# Altium PCB HIL_RIG_REV_1_2.PcbDoc (part 7 of 14) (continued)
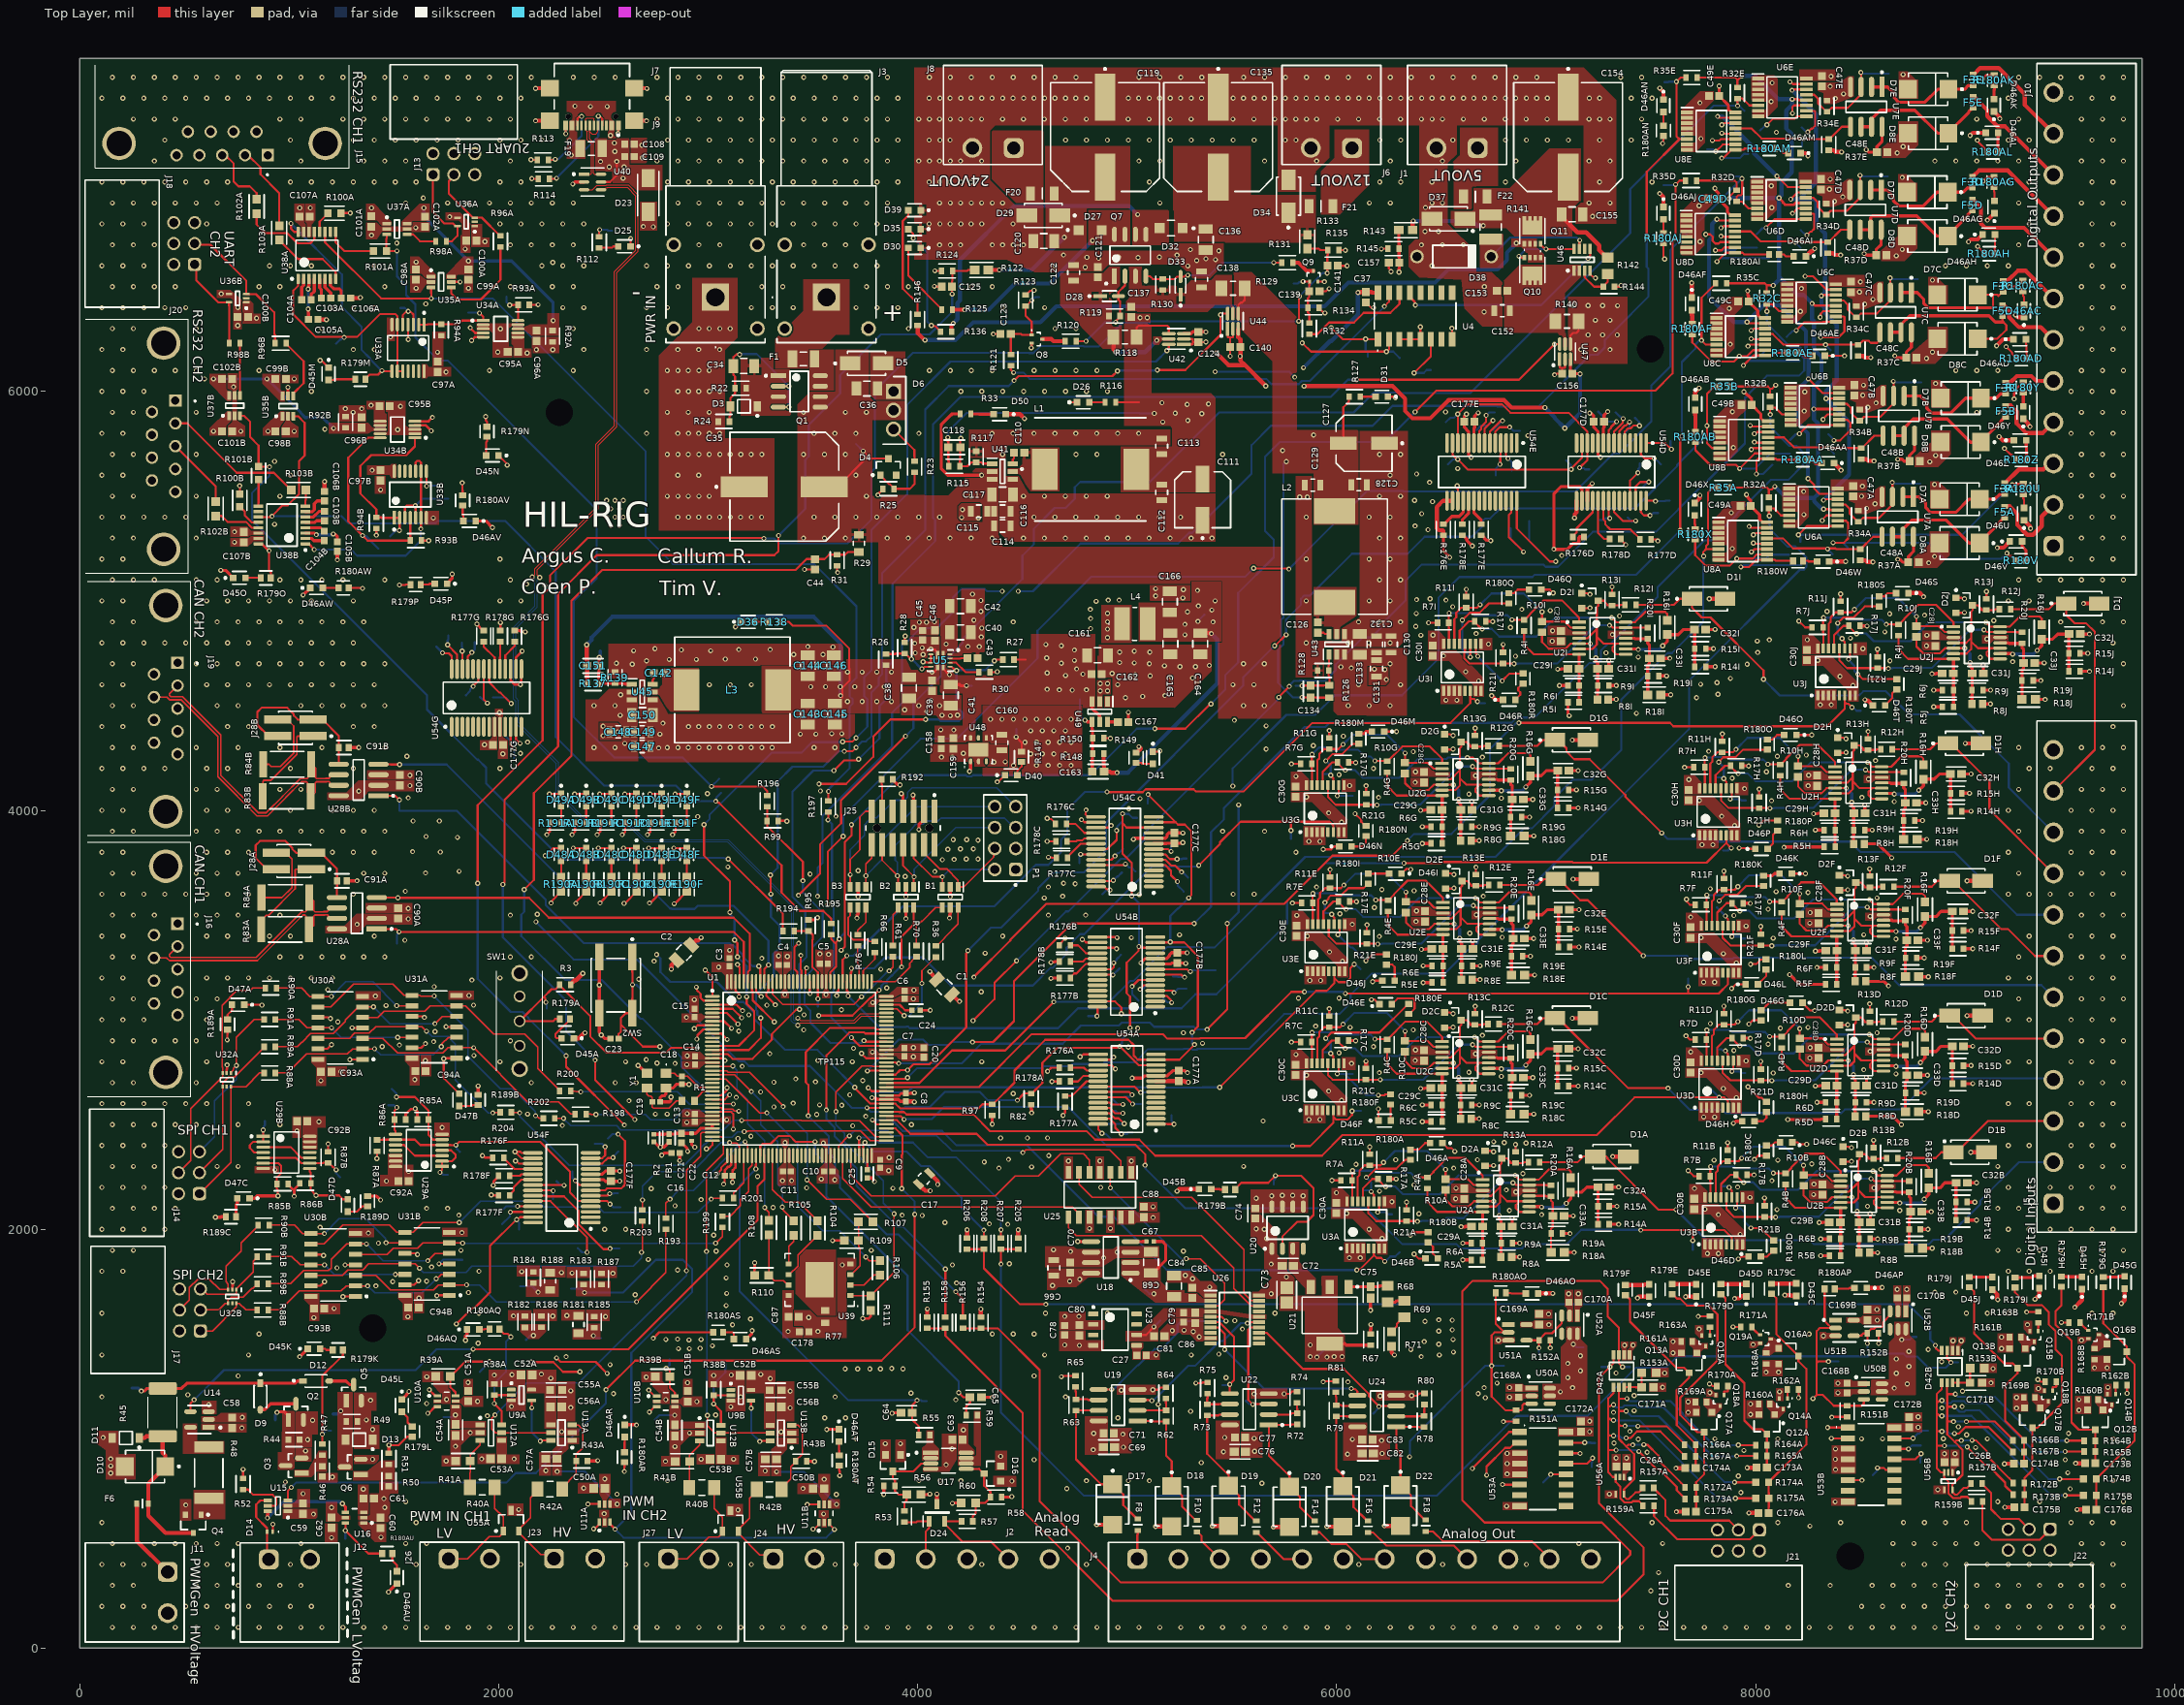
[diagram p0: Top Layer view]
## Nets (pads, with @x,y where several pads share a name; then routed paths per layer and width w, separated by ;. In a path a pad name is that pad's centre, name@x,y a point inside that pad or via, vN(x,y) a via of type N, cw(c..) or ccw(c..) an arc to the next point about the centre after c; other vN are vias at no path point) (continued)
  Bottom Layer w15: v1(7440,4767.82) 7538.92,4767.82 v1(7556.89,4785.79)
DI_12V_vrefJ: C32J.1 R14J.2 R15J.1 R16J.1 U2J.9 | length 566.1
  Top Layer w10: v1@9220.42,4748.61 9223.21,4745.82 v1(9227,4745.82)
  Top Layer w15: U2J.9@9167.13,4748.61 v1@9220.42,4748.61 ; v1(9343.89,4763.79) 9365.89,4785.79 R16J.1@9365.89,4817.28 9418.18,4817.28 9442.7,4841.79 C32J.1@9495.89,4841.79 R15J.1@9495.89,4749.79 R14J.2@9495.89,4663.79
  Bottom Layer w15: v1(9227,4745.82) 9325.92,4745.82 v1(9343.89,4763.79)
DI_24V_vrefA: C33A.1 R18A.2 R19A.1 R20A.1 U2A.11 | length 379.5
  Top Layer w10: U2A.11@6919.13,2159.79 6997.26,2159.79 6999.91,2157.15 R20A.1@7023.89,2157.15 7023.89,2136.19 7031.48,2128.6 C33A.1@7031.48,2064 7031.48,2011.26 7024,2003.78 R19A.1@7024,1979.79 R18A.2@7024,1889.79
DI_24V_vrefB: C33B.1 R18B.2 R19B.1 R20B.1 U2B.11 | length 379.5
  Top Layer w15: U2B.11@8628.13,2179.79 8668.72,2179.79 8671.36,2177.15 R20B.1@8732.89,2177.15 8732.89,2156.19 8740.48,2148.6 C33B.1@8740.48,2084 8740.48,2058.04 8733,2050.57 R19B.1@8733,1999.79 R18B.2@8733,1909.79
DI_24V_vrefC: C33C.1 R18C.2 R19C.1 R20C.1 U2C.11 | length 379.5
  Top Layer w15: U2C.11@6726.13,2819.79 6766.72,2819.79 6769.36,2817.15 R20C.1@6830.89,2817.15 6830.89,2796.19 6838.48,2788.6 C33C.1@6838.48,2724 6838.48,2698.04 6831,2690.57 R19C.1@6831,2639.79 R18C.2@6831,2549.79
DI_24V_vrefD: C33D.1 R18D.2 R19D.1 R20D.1 U2D.11 | length 379.5
  Top Layer w15: U2D.11@8610.13,2831.79 8650.72,2831.79 8653.36,2829.15 R20D.1@8714.89,2829.15 8714.89,2808.19 8722.48,2800.6 C33D.1@8722.48,2736 8722.48,2710.04 8715,2702.57 R19D.1@8715,2651.79 R18D.2@8715,2561.79
DI_24V_vrefE: C33E.1 R18E.2 R19E.1 R20E.1 U2E.11 | length 379.5
  Top Layer w15: U2E.11@6730.13,3483.79 6770.72,3483.79 6773.36,3481.15 R20E.1@6834.89,3481.15 6834.89,3460.19 6842.48,3452.6 C33E.1@6842.48,3388 6842.48,3362.04 6835,3354.57 R19E.1@6835,3303.79 R18E.2@6835,3213.79
DI_24V_vrefF: C33F.1 R18F.2 R19F.1 R20F.1 U2F.11 | length 379.5
  Top Layer w15: U2F.11@8610.13,3475.79 8650.72,3475.79 8653.36,3473.15 R20F.1@8714.89,3473.15 8714.89,3452.19 8722.48,3444.6 C33F.1@8722.48,3380 8722.48,3354.04 8715,3346.57 R19F.1@8715,3295.79 R18F.2@8715,3205.79
DI_24V_vrefG: C33G.1 R18G.2 R19G.1 R20G.1 U2G.11 | length 379.5
  Top Layer w15: U2G.11@6726.13,4147.79 6766.72,4147.79 6769.36,4145.15 R20G.1@6830.89,4145.15 6830.89,4124.19 6838.48,4116.6 C33G.1@6838.48,4052 6838.48,4026.04 6831,4018.57 R19G.1@6831,3967.79 R18G.2@6831,3877.79
DI_24V_vrefH: C33H.1 R18H.2 R19H.1 R20H.1 U2H.11 | length 379.5
  Top Layer w15: U2H.11@8602.13,4131.79 8642.72,4131.79 8645.36,4129.15 R20H.1@8706.89,4129.15 8706.89,4108.19 8714.48,4100.6 C33H.1@8714.48,4036 8714.48,4010.04 8707,4002.57 R19H.1@8707,3951.79 R18H.2@8707,3861.79
DI_24V_vrefI: C33I.1 R18I.2 R19I.1 R20I.1 U2I.11 | length 379.5
  Top Layer w15: U2I.11@7380.13,4821.79 7420.72,4821.79 7423.36,4819.15 R20I.1@7484.89,4819.15 7484.89,4798.19 7492.48,4790.6 C33I.1@7492.48,4726 7492.48,4700.04 7485,4692.57 R19I.1@7485,4641.79 R18I.2@7485,4551.79
DI_24V_vrefJ: C33J.1 R18J.2 R19J.1 R20J.1 U2J.11 | length 379.5
  Top Layer w15: U2J.11@9167.13,4799.79 9207.72,4799.79 9210.36,4797.15 R20J.1@9271.89,4797.15 9271.89,4776.19 9279.48,4768.6 C33J.1@9279.48,4704 9279.48,4678.04 9272,4670.57 R19J.1@9272,4619.79 R18J.2@9272,4529.79
DI_DUT_IN1: D1A.1 J5.2 R12A.1 | length 2812.5
  Top Layer w10: R12A.1@6969,2319.79 7149.94,2319.79 7177.94,2347.79 7287.04,2347.79 7292.89,2341.94 7292.89,2337.44 7536.33,2094 v1(7620,2094)
  Bottom Layer w10: v1(7620,2094) 7766,1948 8260,1948 8279,1929 8826.85,1929 8847.85,1950 8902.45,1950 9071.89,2119.44 9071.89,2135.89 9256.6,2320.6 J5.2@9422,2320.6
DI_DUT_IN2: D1B.1 J5.3 R12B.1 | length 817.6
  Top Layer w10: R12B.1@8678,2339.79 8858.94,2339.79 8886.94,2367.79 D1B.1@8944.15,2367.79 8959.9,2367.79 9109.56,2517.45 J5.3@9422,2517.45
DI_DUT_IN3: D1C.1 J5.4 R12C.1 | length 2917.7
  Top Layer w10: R12C.1@6776,2979.79 6956.94,2979.79 6984.94,3007.79 7057.9,3007.79 7391.7,2674 v1(7582,2674)
  Bottom Layer w10: v1(7582,2674) 7686,2570 7840.87,2570 7855.89,2554.98 8408.98,2554.98 8426,2572 8691.91,2572 8780,2660.09 8780,2662.15 8794.64,2676.79 8796.7,2676.79 8840.7,2720.79 9415.51,2720.79 J5.4@9422,2714.3
DI_DUT_IN4: D1D.1 J5.5 R12D.1 | length 818.6
  Top Layer w10: R12D.1@8660,2991.79 8840.94,2991.79 8868.94,3019.79 D1D.1@8926.15,3019.79 8941.9,3019.79 9050.55,2911.15 J5.5@9422,2911.15
DI_DUT_IN5: D1E.1 J5.6 R12E.1 | length 2892.1
  Top Layer w10: R12E.1@6780,3643.79 6960.94,3643.79 6988.94,3671.79 7061.9,3671.79 7163.02,3570.68 7199.32,3570.68 v1(7464,3306)
  Bottom Layer w10: v1(7464,3306) 7671.22,3306 7686.22,3291 7891.64,3291 7897.64,3297 8553.36,3297 8684.36,3166 9364,3166 J5.6@9422,3108
DI_DUT_IN6: D1F.1 J5.7 R12F.1 | length 922.3
  Top Layer w10: R12F.1@8660,3635.79 8840.94,3635.79 8868.94,3663.79 8941.9,3663.79 9171.7,3434 9204,3434 9333.15,3304.85 J5.7@9422,3304.85
DI_DUT_IN7: D1G.1 J5.8 R12G.1 | length 3017
  Top Layer w10: R12G.1@6776,4307.79 6956.94,4307.79 6984.94,4335.79 D1G.1@7042.15,4335.79 7057.9,4335.79 7097.02,4296.67 7097.02,4280.92 7133.95,4244 7208,4244 7378.66,4073.34 7378.66,4065.34 v1(7552,3892)
  Bottom Layer w10: v1(7552,3892) 7580,3864 7803.36,3864 7816.36,3851 8450.15,3851 8500.15,3801 8949,3801 9248.3,3501.7 J5.8@9422,3501.7
DI_DUT_IN8: D1H.1 J5.9 R12H.1 | length 1116.9
  Top Layer w10: R12H.1@8652,4291.79 8832.94,4291.79 8860.94,4319.79 8933.9,4319.79 9116,4137.7 9116,4004.55 J5.9@9422,3698.55
DI_DUT_IN9: D1I.1 J5.10 R12I.1 | length 2598
  Top Layer w10: R12I.1@7430,4981.79 7610.94,4981.79 7638.94,5009.79 D1I.1@7696.15,5009.79 7696.15,4968.33 7743.24,4921.24 7784.88,4921.24 8038,4668.12 v1(8038,4626)
  Bottom Layer w10: v1(8038,4626) 8115.55,4548.45 8494.45,4548.45 8514.61,4568.61 8622.29,4568.61 8732.9,4458 8974,4458 9208.54,4223.46 9208.54,4108.86 J5.10@9422,3895.4
DI_DUT_IN10: D1J.1 J5.11 R12J.1 | length 1343.4
  Top Layer w10: R12J.1@9217,4959.79 9397.94,4959.79 9425.94,4987.79 D1J.1@9483.15,4987.79 9483.15,4932.85 9522,4894 9577.12,4894 9618.99,4852.13 9618.99,4289.24 J5.11@9422,4092.25
DI_IN_dividedA: D2A.3 R12A.2 R13A.2 U2A.4 U2A.6 U2A.8 U2A.10 | length 810.1
  Top Layer w10: U2A.6@6696.66,2108.61 6737.24,2108.61 6737.38,2108.75 6760.11,2108.75 6780.94,2129.58 6780.94,2166.75 ; U2A.4@6696.66,2159.79 6737.24,2159.79 6780.94,2203.49 ; R12A.2@6915.72,2319.79 6894.75,2319.79 6891.47,2316.51 R13A.2@6854,2316.51 6830.01,2316.51 6830.01,2322.21 6813.46,2338.77 D2A.3@6787.74,2338.77 6787.74,2315.02 6780.94,2308.22 6780.94,2203.49 ; U2A.8@6919.13,2083.02 6873.91,2083.02 6855.98,2100.95 6855.98,2116.27 6869,2129.29 6869,2134.2 ; U2A.10@6919.13,2134.2 6869,2134.2 ; 6780.94,2166.75 6813.48,2134.2 6869,2134.2 ; 6780.94,2166.75 6780.94,2203.49
DI_IN_dividedB: D2B.3 R12B.2 R13B.2 U2B.4 U2B.6 U2B.8 U2B.10 | length 810.1
  Top Layer w10: U2B.6@8405.66,2128.61 8446.24,2128.61 8446.38,2128.75 8469.11,2128.75 8489.94,2149.58 8489.94,2186.75 ; U2B.4@8405.66,2179.79 8446.24,2179.79 8489.94,2223.49 ; R12B.2@8624.72,2339.79 8603.75,2339.79 8600.47,2336.51 R13B.2@8563,2336.51 8539.01,2336.51 8539.01,2342.21 8522.46,2358.77 D2B.3@8496.74,2358.77 8496.74,2335.02 8489.94,2328.22 8489.94,2223.49 ; U2B.8@8628.13,2103.02 8582.91,2103.02 8564.98,2120.95 8564.98,2136.27 8578,2149.29 8578,2154.2 ; U2B.10@8628.13,2154.2 8578,2154.2 ; 8489.94,2186.75 8489.94,2223.49 ; 8489.94,2186.75 8522.48,2154.2 8578,2154.2
DI_IN_dividedC: D2C.3 R12C.2 R13C.2 U2C.4 U2C.6 U2C.8 U2C.10 | length 810.1
  Top Layer w10: U2C.6@6503.66,2768.61 6544.24,2768.61 6544.38,2768.75 6567.11,2768.75 6587.94,2789.58 6587.94,2826.75 ; U2C.4@6503.66,2819.79 6544.24,2819.79 6587.94,2863.49 ; R12C.2@6722.72,2979.79 6701.75,2979.79 6698.47,2976.51 R13C.2@6661,2976.51 6637.01,2976.51 6637.01,2982.21 6620.46,2998.77 D2C.3@6594.74,2998.77 6594.74,2975.02 6587.94,2968.22 6587.94,2863.49 ; U2C.8@6726.13,2743.02 6680.91,2743.02 6662.98,2760.95 6662.98,2776.27 6676,2789.29 6676,2794.2 ; U2C.10@6726.13,2794.2 6676,2794.2 ; 6587.94,2826.75 6587.94,2863.49 ; 6587.94,2826.75 6620.48,2794.2 6676,2794.2
DI_IN_dividedD: D2D.3 R12D.2 R13D.2 U2D.4 U2D.6 U2D.8 U2D.10 | length 810.1
  Top Layer w10: U2D.6@8387.66,2780.61 8428.24,2780.61 8428.38,2780.75 8451.11,2780.75 8471.94,2801.58 8471.94,2838.75 ; U2D.4@8387.66,2831.79 8428.24,2831.79 8471.94,2875.49 ; R12D.2@8606.72,2991.79 8585.75,2991.79 8582.47,2988.51 R13D.2@8545,2988.51 8521.01,2988.51 8521.01,2994.21 8504.46,3010.77 D2D.3@8478.74,3010.77 8478.74,2987.02 8471.94,2980.22 8471.94,2875.49 ; U2D.8@8610.13,2755.02 8564.91,2755.02 8546.98,2772.95 8546.98,2788.27 8560,2801.29 8560,2806.2 ; U2D.10@8610.13,2806.2 8560,2806.2 ; 8471.94,2838.75 8471.94,2875.49 ; 8471.94,2838.75 8504.48,2806.2 8560,2806.2
DI_IN_dividedE: D2E.3 R12E.2 R13E.2 U2E.4 U2E.6 U2E.8 U2E.10 | length 810.1
  Top Layer w10: U2E.6@6507.66,3432.61 6548.24,3432.61 6548.38,3432.75 6571.11,3432.75 6591.94,3453.58 6591.94,3490.75 ; U2E.4@6507.66,3483.79 6548.24,3483.79 6591.94,3527.49 ; R12E.2@6726.72,3643.79 6705.75,3643.79 6702.47,3640.51 R13E.2@6665,3640.51 6641.01,3640.51 6641.01,3646.21 6624.46,3662.77 D2E.3@6598.74,3662.77 6598.74,3639.02 6591.94,3632.22 6591.94,3527.49 ; U2E.8@6730.13,3407.02 6684.91,3407.02 6666.98,3424.95 6666.98,3440.27 6680,3453.29 6680,3458.2 ; U2E.10@6730.13,3458.2 6680,3458.2 ; 6591.94,3490.75 6591.94,3527.49 ; 6591.94,3490.75 6624.48,3458.2 6680,3458.2
DI_IN_dividedF: D2F.3 R12F.2 R13F.2 U2F.4 U2F.6 U2F.8 U2F.10 | length 810.1
  Top Layer w10: U2F.6@8387.66,3424.61 8428.24,3424.61 8428.38,3424.75 8451.11,3424.75 8471.94,3445.58 8471.94,3482.75 ; U2F.4@8387.66,3475.79 8428.24,3475.79 8471.94,3519.49 ; R12F.2@8606.72,3635.79 8585.75,3635.79 8582.47,3632.51 R13F.2@8545,3632.51 8521.01,3632.51 8521.01,3638.21 8504.46,3654.77 D2F.3@8478.74,3654.77 8478.74,3631.02 8471.94,3624.22 8471.94,3519.49 ; U2F.8@8610.13,3399.02 8564.91,3399.02 8546.98,3416.95 8546.98,3432.27 8560,3445.29 8560,3450.2 ; U2F.10@8610.13,3450.2 8560,3450.2 ; 8471.94,3482.75 8471.94,3519.49 ; 8471.94,3482.75 8504.48,3450.2 8560,3450.2
DI_IN_dividedG: D2G.3 R12G.2 R13G.2 U2G.4 U2G.6 U2G.8 U2G.10 | length 810.1
  Top Layer w10: U2G.6@6503.66,4096.61 6544.24,4096.61 6544.38,4096.75 6567.11,4096.75 6587.94,4117.58 6587.94,4154.75 ; U2G.4@6503.66,4147.79 6544.24,4147.79 6587.94,4191.49 ; R12G.2@6722.72,4307.79 6701.75,4307.79 6698.47,4304.51 R13G.2@6661,4304.51 6637.01,4304.51 6637.01,4310.21 6620.46,4326.77 D2G.3@6594.74,4326.77 6594.74,4303.02 6587.94,4296.22 6587.94,4191.49 ; U2G.8@6726.13,4071.02 6680.91,4071.02 6662.98,4088.95 6662.98,4104.27 6676,4117.29 6676,4122.2 ; U2G.10@6726.13,4122.2 6676,4122.2 ; 6587.94,4154.75 6587.94,4191.49 ; 6587.94,4154.75 6620.48,4122.2 6676,4122.2
DI_IN_dividedH: D2H.3 R12H.2 R13H.2 U2H.4 U2H.6 U2H.8 U2H.10 | length 802.9
  Top Layer w10: U2H.6@8379.66,4080.61 8420.24,4080.61 8420.38,4080.75 8443.11,4080.75 8463.94,4101.58 8463.94,4138.75 ; U2H.4@8379.66,4131.79 8399.22,4131.79 8437.79,4131.79 8463.94,4157.94 ; R12H.2@8598.72,4291.79 8577.75,4291.79 8574.47,4288.51 R13H.2@8537,4288.51 8513.01,4288.51 8513.01,4294.21 8496.46,4310.77 D2H.3@8470.74,4310.77 8470.74,4287.02 8463.94,4280.22 8463.94,4157.94 ; U2H.8@8602.13,4055.02 8556.91,4055.02 8538.98,4072.95 8538.98,4088.27 8552,4101.29 8552,4106.2 ; U2H.10@8602.13,4106.2 8552,4106.2 ; 8463.94,4138.75 8463.94,4157.94 ; 8463.94,4138.75 8496.48,4106.2 8552,4106.2
DI_IN_dividedI: D2I.3 R12I.2 R13I.2 U2I.4 U2I.6 U2I.8 U2I.10 | length 810.1
  Top Layer w10: U2I.6@7157.66,4770.61 7198.24,4770.61 7198.38,4770.75 7221.11,4770.75 7241.94,4791.58 7241.94,4828.75 ; U2I.4@7157.66,4821.79 7198.24,4821.79 7241.94,4865.49 ; R12I.2@7376.72,4981.79 7355.75,4981.79 7352.47,4978.51 R13I.2@7315,4978.51 7291.01,4978.51 7291.01,4984.21 7274.46,5000.77 D2I.3@7248.74,5000.77 7248.74,4977.02 7241.94,4970.22 7241.94,4865.49 ; U2I.8@7380.13,4745.02 7334.91,4745.02 7316.98,4762.95 7316.98,4778.27 7330,4791.29 7330,4796.2 ; U2I.10@7380.13,4796.2 7330,4796.2 ; 7241.94,4828.75 7274.48,4796.2 7330,4796.2 ; 7241.94,4828.75 7241.94,4865.49
DI_IN_dividedJ: D2J.3 R12J.2 R13J.2 U2J.4 U2J.6 U2J.8 U2J.10 | length 801.6
  Top Layer w10: U2J.6@8944.66,4748.61 8985.24,4748.61 8985.38,4748.75 9008.11,4748.75 9028.94,4769.58 9028.94,4806.75 ; U2J.4@8944.66,4799.79 8964.22,4799.79 9005.79,4799.79 9028.94,4822.94 ; R12J.2@9163.72,4959.79 9142.75,4959.79 9139.47,4956.51 R13J.2@9102,4956.51 9078.01,4956.51 9078.01,4962.21 9061.46,4978.77 D2J.3@9035.74,4978.77 9035.74,4955.02 9028.94,4948.22 9028.94,4822.94 ; U2J.8@9167.13,4723.02 9121.91,4723.02 9103.98,4740.95 9103.98,4756.27 9117,4769.29 9117,4774.2 ; U2J.10@9167.13,4774.2 9117,4774.2 ; 9028.94,4806.75 9061.48,4774.2 9117,4774.2 ; 9028.94,4806.75 9028.94,4822.94
DI_MCU1: TP26A.1 U1.77 U3A.6 | length 2976.8
  Top Layer w10: v1(3784,2522) 3804.44,2501.56 U1.77@3850.71,2501.56 ; v1(6096,1806) 6098.68,1808.68 6110.68,1808.68 6177.39,1875.39 ; U3A.6@6177.39,1908.61 6177.39,1876.99 6190.95,1863.43 6213,1863.43 v1(6229.83,1846.6)
  Bottom Layer w10: v1(3784,2522) 3876.64,2522 3928.64,2470 4116,2470 4184,2402 4520,2402 4862,2060 4936,2060 5190,1806 v1(6096,1806) ; v1@6232,1846 6256.19,1870.19 6280.19,1870.19 TP26A.1@6300,1890
DI_MCU2: TP26B.1 U1.78 U3B.6 | length 4506.1
  Top Layer w10: U1.78@3850.71,2521.24 3900.77,2521.24 3966.02,2456 4282,2456 4334,2404 5040,2404 5086,2358 v1(5086,2306) ; v1@7452.12,1996.12 7700,1996.12 ; v1(7700,1946) 7700,1996.12 ; U3B.6@7886.39,1928.61 7886.39,1960.24 7850.5,1996.12 7700,1996.12
  Bottom Layer w10: v1(5086,2306) 5088.09,2303.91 5088.09,2289.91 5277,2101 6141.33,2101 6312.33,1930 6570.77,1930 6591.77,1909 6884.36,1909 6905.36,1930 7099.56,1930 7167.56,1998 7450,1998 v1(7452,1996) ; TP26B.1@7700,1902 v1(7700,1946)
DI_MCU3: TP26C.1 U1.79 U3C.6 | length 2513.8
  Top Layer w10: U1.79@3850.71,2540.93 3918.43,2540.93 v1(3934.99,2524.36) ; v1(5790,2398) 5874,2398 5984.39,2508.39 5984.39,2536.99 ; U3C.6@5984.39,2568.61 5984.39,2536.99 ; v1(6073.9,2564.72) 6073.9,2545.9 6052,2524 5997.38,2524 5984.39,2536.99
  Bottom Layer w10: v1(3934.99,2524.36) 3937.67,2527.04 4069.04,2527.04 4126,2584 4717.35,2584 4903.35,2398 v1@5789.14,2398 ; v1@6074,2564 6075.79,2565.79 TP26C.1@6116.89,2565.79
DI_MCU4: TP26D.1 U1.80 U3D.6 | length 4314.8
  Top Layer w10: U1.80@3850.71,2560.61 3910.88,2560.61 3911.5,2560 3934.71,2560 3946.71,2548 4266,2548 4346,2468 4807.38,2468 4847.38,2428 5058,2428 5134,2352 5930,2352 6028,2450 7242,2450 7422,2630 v1(7826,2630) 7850.62,2630 7868.39,2612.24 U3D.6@7868.39,2580.61
  Bottom Layer w10: TP26D.1@7786,2670 v1(7826,2630)
DI_MCU5: TP26E.1 U1.85 U3E.6 | length 2810.8
  Top Layer w10: v1(3764,2676) 3780.96,2659.04 U1.85@3850.71,2659.04 ; v1(5442,2678) 5902.43,3138.43 5952.64,3138.43 5988.39,3174.17 5988.39,3200.99 ; U3E.6@5988.39,3232.61 5988.39,3200.99 ; v1(6084,3266) 6066.08,3248.08 6066.08,3200.08 6046,3180 6009.38,3180 5988.39,3200.99
  Bottom Layer w10: v1(3764,2676) 3787,2653 3949.64,2653 3973.64,2677 3994.36,2677 3995.36,2678 5074.36,2678 5075.36,2677 5358.09,2677 5359.09,2678 v1(5442,2678) ; v1(6084,3266) 6090,3266 TP26E.1@6114,3242
DI_MCU6: TP26F.1 U1.86 U3F.6 | length 4374.1
  Top Layer w10: U1.86@3850.71,2678.72 4291.28,2678.72 4544.55,2932 5170,2932 5192,2910 5346.64,2910 5349.64,2913 5563,2913 5784,3134 v1(5846,3134) ; v1(6042,3126) 7674,3126 ; v1(7678,3158) 7678,3130 7674,3126 ; U3F.6@7868.39,3224.61 7868.39,3170.39 7824,3126 7674,3126
  Bottom Layer w10: v1(5846,3134) 6030.21,3134 6038.21,3126 v1(6042,3126) ; v1(7678,3158) TP26F.1@7678,3198
DI_MCU7: TP26G.1 U1.114 U3G.6 | length 2910.2
  Top Layer w10: U1.114@3681.42,3182.66 3681.42,3226.09 3684,3228.68 v1(3684,3246) ; v1(5342,3738) 5443.34,3839.34 5443.34,3847.34 5542,3946 5782,3946 ; v1(5782,3904) 5782,3946 ; U3G.6@5984.39,3896.61 5984.39,3928.24 5966.62,3946 5782,3946
  Bottom Layer w10: v1(3684,3246) 3792.64,3246 3844.64,3298 4025.36,3298 4083,3240.36 4083,3239 4158,3164 4550,3164 4635,3249 4646.36,3249 4711,3313.64 4711,3344.36 4775.64,3409 4795,3409 5118,3732 5332.21,3732 5338.21,3738 v1(5342,3738) ; TP26G.1@5782,3864 v1(5782,3904)
DI_MCU8: TP26H.1 U1.115 U3H.6 | length 4877.1
  Top Layer w10: U1.115@3661.73,3182.66 3661.73,3139.23 3666.96,3134 3666.96,3115.04 v1(3668,3114) ; v1(6322,3748) 6497.67,3748 6503.47,3753.79 7124.88,3753.79 7128.67,3750 7766,3750 7860.39,3844.39 ; U3H.6@7860.39,3880.61 7860.39,3843.61 v1(7884,3820)
  Bottom Layer w10: v1(3668,3114) 3816,2966 3944.64,2966 3946.18,2967.54 3954.46,2967.54 3962,2960 4670.48,2960 4765.48,3055 5259,3055 5326,3122 5426,3122 5763.63,3459.63 5763.63,3568.1 5943.52,3748 v1(6322,3748) ; TP26H.1@7844,3808 7868.21,3808 7880.21,3820 v1(7884,3820)
DI_MCU9: TP26I.1 U1.116 U3I.6 | length 3857.8
  Top Layer w10: U1.116@3642.05,3182.66 3642.05,3286.05 v1(3662,3306) ; v1(4904,4088) 4905,4087 5074.36,4087 5088.36,4101 5317.68,4101 5327.68,4091 5557,4091 5883.43,4417.43 6543.43,4417.43 6638.39,4512.39 6638.39,4538.99 ; U3I.6@6638.39,4570.61 6638.39,4538.99 ; v1(6672,4520) 6668.21,4520 6656.29,4531.92 6645.46,4531.92 6638.39,4538.99
  Bottom Layer w10: v1(3662,3306) 3694,3306 3930,3542 4365.83,3542 4563.83,3740 4624,3740 4684.36,3800.36 4684.36,3860.53 4714,3890.17 4714,4004 4798,4088 v1(4904,4088) ; v1(6672,4520) 6680,4512 TP26I.1@6708,4512
DI_MCU10: TP26J.1 U1.117 U3J.6 | length 5803.5
  Top Layer w10: v1(3614,3116) 3616.68,3118.68 3616.68,3133.54 3622.36,3139.23 U1.117@3622.36,3182.66 ; v1(4268,3204) 4442.34,3378.34 4442.34,3382.34 4614,3554 5749.52,3554 5979.52,3784 6266,3784 v1(6338,3856) ; v1(6870,4418) 7591.89,4418 7607.89,4402 8342,4402 8425.39,4485.39 8425.39,4516.99 ; U3J.6@8425.39,4548.61 8425.39,4516.99 ; v1(8460,4492) 8443.18,4508.82 8433.56,4508.82 8425.39,4516.99
  Int3 (Sign) w10: v1(3614,3116) 3637,3139 3783.57,3139 3847.57,3075 4139,3075 v1(4268,3204)
  Bottom Layer w10: v1(6338,3856) 6369.58,3887.58 6547.58,3887.58 6732,4072 6732,4292.73 6854.59,4415.32 6867.32,4415.32 v1(6870,4418) ; v1(8460,4492) 8466.19,4492 8482.19,4476 TP26J.1@8502,4476
DI_S0_1: R180A.1 TP5A.1 TP90B.1 U3A.11 U54B.27 | length 2204.4
  Top Layer w10: U54B.27@4858.76,3088.06 4914,3088.06 4914.06,3088 4942.14,3088 4972,3058.14 v1(4972,3030) ; v1(6142,2248) 6145.25,2248 6186.4,2289.15 6284.64,2289.15 6327.03,2331.54 R180A.1@6352,2331.54 ; v1(6165,2180) 6165,2177.03 6177.39,2164.65 U3A.11@6177.39,2133.02
  Int3 (Sign) w10: v1(4972,3030) 4972,2950 5348,2574 5670,2574 5985.25,2258.75 5987.98,2258.75 6002.63,2244.1 6002.63,2241.37 6064,2180 v1(6165,2180)
  Bottom Layer w10: v1(4972,3030) 4975.79,3030 4983.79,3022 TP90B.1@5016,3022 ; TP5A.1@6131.89,2185.79 6155.42,2185.79 6161.21,2180 v1(6165,2180) 6165,2225 v1(6142,2248)
DI_S0_2: R180C.1 TP5B.1 TP96B.1 U3B.11 U54B.5 | length 3745.8
  Top Layer w10: v1(5062,3146) 5062,3147.73 5079.1,3164.83 U54B.5@5134.35,3164.83 ; v1(7874,2200) 7874,2197.03 7886.39,2184.65 U3B.11@7886.39,2153.02 ; v1(7994,2334) 8011.77,2351.77 R180C.1@8052,2351.77
  Int3 (Sign) w10: v1(5062,3146) 5086,3122 5086,3112 5236,2962 5236,2942 5243,2935 5243,2925.64 5448.64,2720 5653,2720 5662,2711 6007.45,2711 6016.45,2720 6135.33,2720 6182.54,2672.79 6203.25,2672.79 6227.45,2697 6437.4,2697 6445.4,2689 6655.36,2689 6669.36,2703 6893.15,2703 6956.15,2640 7542,2640 7874,2308 ; v1(7874,2200) 7874,2308 ; v1(7994,2334) 7962.81,2334 7936.81,2308 7874,2308
  Bottom Layer w10: v1(5062,3146) 5064.68,3148.68 5076.68,3148.68 TP96B.1@5102,3174 ; TP5B.1@7840.89,2205.79 7864.42,2205.79 7870.21,2200 v1(7874,2200)
DI_S0_3: R180E.1 TP5C.1 TP95B.1 U3C.11 U54B.4 | length 1660.7
  Top Layer w10: U54B.4@5134.35,3139.25 5214.75,3139.25 v1(5224,3130) ; v1(5948,2912) 5975,2939 6204.04,2939 6341.5,3076.46 R180E.1@6344,3076.46 ; v1(5972,2840) 5972,2837.03 5984.39,2824.65 U3C.11@5984.39,2793.02
  Int3 (Sign) w10: v1(5224,3130) 5272,3130 5466,2936 5777.73,2936 5798.94,2914.79 5897.21,2914.79 v1(5972,2840)
  Bottom Layer w10: v1(5224,3130) 5242,3148 TP95B.1@5282,3148 ; TP5C.1@5938.89,2845.79 5962.42,2845.79 5968.21,2840 v1(5972,2840) 5972,2888 v1(5948,2912)
DI_S0_4: R180G.1 TP5D.1 TP99B.1 U3D.11 U54B.8 | length 3353.7
  Top Layer w10: U54B.8@5134.35,3241.61 5286.6,3241.61 5298.21,3230 v1(5302,3230) ; v1(7856,2852) 7856,2849.03 7868.39,2836.65 U3D.11@7868.39,2805.02 ; v1(7968,2980) 7985.77,2997.77 R180G.1@8026,2997.77
  Int3 (Sign) w10: v1(5302,3230) 5334,3198 5846.64,3198 5861.64,3213 5934.36,3213 5997,3150.36 6031,3150.36 6031.64,3151 6052.36,3151 6053,3150.36 7477,3150.36 7700.56,2926.79 7781.21,2926.79 v1(7856,2852) 7858.68,2854.68 7858.68,2870.68 v1(7968,2980)
  Bottom Layer w10: v1(5302,3230) 5305.79,3230 5311.79,3236 TP99B.1@5422,3236 ; TP5D.1@7816,2860 7835.81,2860 7841.13,2854.68 7853.32,2854.68 v1(7856,2852)
DI_S0_5: R180I.1 TP5E.1 TP90C.1 U3E.11 U54C.27 | length 1638.4
  Top Layer w10: U54C.27@4851.41,3662.06 4926.27,3662.06 4930.21,3666 v1(4934,3666) ; v1(5944,3560) 5960.82,3576.82 5960.82,3582.82 5971.6,3593.6 6020.42,3593.6 6056.02,3629.21 6128.44,3629.21 6148.57,3649.34 R180I.1@6151.07,3649.34 ; v1(5976,3504) 5976,3501.03 5988.39,3488.65 U3E.11@5988.39,3457.02
  Int3 (Sign) w10: v1(4934,3666) 4977,3623 5202.89,3623 5303.89,3522 5627.26,3522 5629.05,3523.79 5956.21,3523.79 v1(5976,3504)
  Bottom Layer w10: v1(4934,3666) 4952.19,3684.19 4956.19,3684.19 TP90C.1@4976,3704 ; v1(5944,3560) 5944,3530.71 5942.89,3529.61 TP5E.1@5942.89,3509.79 5966.42,3509.79 5972.21,3504 v1(5976,3504)
DI_S0_6: R180K.1 TP5F.1 TP84B.1 U3F.11 U54B.21 | length 3658.7
  Top Layer w10: U54B.21@4858.76,3241.61 4925.61,3241.61 4936,3252 v1(4936,3272) ; v1(7826,3568) 7855.19,3597.19 7912,3597.19 7954.36,3639.54 R180K.1@8038,3639.54 ; v1(7856,3496) 7856,3493.03 7868.39,3480.65 U3F.11@7868.39,3449.02
  Int3 (Sign) w10: v1(4936,3272) 4936,3274 4974,3312 4982.64,3312 5067.64,3397 5216.36,3397 5238.36,3375 6011.45,3375 6020.45,3384 6092,3384 6132,3424 6610.64,3424 6625.64,3439 6763.83,3439 6779.64,3454.82 6800.36,3454.82 6842.17,3413 6988.25,3413 6992.46,3408.79 7159.25,3408.79 7174.45,3424 7394.55,3424 7422.55,3452 7691.11,3452 7735.11,3496 v1(7856,3496) 7856,3538 v1(7826,3568)
  Bottom Layer w10: v1(4936,3272) 4950.19,3286.19 4950.19,3290.19 TP84B.1@4970,3310 ; TP5F.1@7816,3536 v1(7856,3496)
DI_S0_7: R180M.1 TP5G.1 TP99C.1 U3G.11 U54C.8 | length 1409.6
  Top Layer w10: U54C.8@5127,3815.61 5194.6,3815.61 5206.21,3804 v1(5210,3804) ; v1(5948,4236) 5981.19,4269.19 6028,4269.19 6076.58,4317.77 R180M.1@6106,4317.77 ; v1(5972,4168) 5972,4165.03 5984.39,4152.65 U3G.11@5984.39,4121.02
  Int3 (Sign) w10: v1(5210,3804) 5288,3804 5300,3792 5436,3792 5733,4089 5893,4089 v1(5972,4168)
  Bottom Layer w10: v1(5210,3804) TP99C.1@5210,3844 ; TP5G.1@5938.89,4173.79 5962.42,4173.79 5968.21,4168 v1(5972,4168) 5972,4214.75 5950.75,4236 v1(5948,4236)
DI_S0_8: R180O.1 TP5H.1 TP97C.1 U3H.11 U54C.6 | length 3410.4
  Top Layer w10: U54C.6@5127,3764.42 5182.24,3764.42 5210.12,3736.55 5229.45,3736.55 v1(5260,3706) ; v1(7824,4230) 7824,4231.12 7846.07,4253.19 7904,4253.19 7940.81,4290 R180O.1@8056,4290 ; v1(7848,4152) 7848,4149.03 7860.39,4136.65 U3H.11@7860.39,4105.02
  Int3 (Sign) w10: v1(5260,3706) 5263.79,3706 5271.79,3698 5914.1,3698 5989.1,3773 6375.49,3773 6483.49,3881 6675.36,3881 6697.15,3902.79 7079.35,3902.79 7249.55,4073 7699.02,4073 7728.02,4102 7798,4102 v1(7848,4152)
  Bottom Layer w10: v1(5260,3706) 5263.79,3706 5269.98,3699.81 5270.19,3699.81 TP97C.1@5290,3680 ; TP5H.1@7814.89,4157.79 7838.42,4157.79 7844.21,4152 v1(7848,4152) 7848,4206 v1(7824,4230)
DI_S0_9: R180Q.1 TP5I.1 TP84C.1 U3I.11 U54C.21 | length 2813.2
  Top Layer w10: U54C.21@4851.41,3815.61 4906.65,3815.61 4950,3858.95 v1(4950,3904) ; v1(6600,4908) 6635.19,4943.19 6682,4943.19 6726.81,4988 R180Q.1@6822,4988 ; v1(6638,4732) 6638,4763.02 6638.39,4763.4 U3I.11@6638.39,4795.02
  Int3 (Sign) w10: v1(4950,3904) 4952.09,3906.09 4966.09,3906.09 5066,4006 5138.63,4006 5592.63,4460 5979.64,4460 6081.47,4561.82 6103.18,4561.82 6205,4663.64 6205,4685.35 6244.64,4725 6265.36,4725 6316.35,4674 6580,4674 v1(6638,4732)
  Bottom Layer w10: v1(4950,3904) 4952.68,3906.68 4952.68,3922.68 TP84C.1@4978,3948 ; v1(6600,4908) TP5I.1@6600,4868 6600,4770 v1(6638,4732)
DI_S0_10: R180S.1 TP5J.1 TP86C.1 U3J.11 U54C.23 | length 4433.2
  Top Layer w10: U54C.23@4851.41,3764.42 4924.42,3764.42 v1(4942,3782) ; v1(8392,4894) 8419.19,4921.19 8469,4921.19 8521.36,4973.54 R180S.1@8590,4973.54 ; v1(8413,4820) 8413,4817.03 8425.39,4804.65 U3J.11@8425.39,4773.02
  Int3 (Sign) w10: v1(4942,3782) 5012,3782 5147,3917 5243,3917 5572.75,4246.75 5794.98,4246.75 5798.94,4242.79 5893.25,4242.79 5911.45,4261 6217,4261 6384,4428 6844.64,4428 6859.64,4443 6982,4443 6998,4427 7894.56,4427 8287.56,4820 v1(8413,4820)
  Bottom Layer w10: v1(4942,3782) 4956.19,3796.19 4960.19,3796.19 TP86C.1@4980,3816 ; v1(8392,4894) 8392,4841 v1(8413,4820)
DI_S1_1: R180B.1 TP6A.1 TP91B.1 U3A.10 U54B.28 | length 2276.4
  Top Layer w10: v1(4856,3018) 4856,3021.79 4858.76,3024.54 U54B.28@4858.76,3062.47 ; v1(6195.89,2081.79) 6195.89,2085.58 6202.98,2092.67 U3A.10@6202.98,2133.02 ; v1(6352,1972) 6366,1986 R180B.1@6437.59,1986
  Int3 (Sign) w10: v1(4856,3018) 4856.14,3017.86 4856.14,2957.86 4939,2875 4939,2863.64 5260.64,2542 5548,2542 5974,2116 6060,2116 6094.21,2081.79 v1(6195.89,2081.79) 6305.69,1972 v1(6352,1972)
  Bottom Layer w10: TP91B.1@4814,3018 v1(4856,3018) ; v1(6195.89,2081.79) 6234.39,2081.79 6244.19,2072 TP6A.1@6264,2072
DI_S1_2: R180D.1 TP6B.1 TP97B.1 U3B.10 U54B.6 | length 3952.5
  Top Layer w10: v1(5024,3160) 5024.18,3160 5054.61,3190.42 U54B.6@5134.35,3190.42 ; v1(7904.89,2101.79) 7904.89,2105.58 7911.98,2112.67 U3B.10@7911.98,2153.02 ; v1(7978,2006) 8023.95,2006 8083.5,1946.46 R180D.1@8086,1946.46
  Int3 (Sign) w10: v1(5024,3160) 5006,3142 5006,3078 5452,2632 5900,2632 5993,2539 6419.49,2539 6455.49,2503 6690.84,2503 6703.84,2516 7386,2516 7683,2219 7683,2184.44 7697.64,2169.79 7732.21,2169.79 7800.21,2101.79 v1(7904.89,2101.79)
  Bottom Layer w10: v1(5024,3160) 5024,3122 TP97B.1@5054,3092 ; v1(7904.89,2101.79) 7926.21,2101.79 TP6B.1@7948,2080 7948,2036 v1(7978,2006)
DI_S1_3: R180F.1 TP6C.1 TP94B.1 U3C.10 U54B.3 | length 1475.9
  Top Layer w10: U54B.3@5134.35,3113.65 5189.59,3113.65 5209.32,3093.92 5209.32,3084.68 v1(5212,3082) ; v1(6002.89,2741.79) 6002.89,2745.58 6009.98,2752.67 U3C.10@6009.98,2793.02 ; v1(6199.35,2640) 6228.46,2640 6232.44,2643.98 R180F.1@6257.41,2643.98
  Int3 (Sign) w10: v1(5212,3082) 5484.21,2809.79 5816.36,2809.79 5816.56,2810 5934.69,2810 v1(6002.89,2741.79)
  Bottom Layer w10: TP94B.1@5168,3108 5192,3084 5210,3084 v1(5212,3082) ; v1(6002.89,2741.79) 6038.21,2741.79 ; TP6C.1@6076,2742 6038.41,2742 6038.21,2741.79 ; v1@6202,2640 6140,2640 6038.21,2741.79
DI_S1_4: R180H.1 TP6D.1 TP98B.1 U3D.10 U54B.7 | length 3373.1
  Top Layer w10: U54B.7@5134.35,3216.01 5258.2,3216.01 5270.21,3204 v1(5274,3204) ; v1(7886.89,2753.79) 7886.89,2757.58 7893.98,2764.67 U3D.10@7893.98,2805.02 ; v1(7964,2680) 8015.65,2628.35 8029.37,2628.35 8049.5,2608.23 R180H.1@8052,2608.23
  Int3 (Sign) w10: v1(5274,3204) 5449.56,3028.44 5975.25,3028.44 5983.81,3036.99 6008.74,3036.99 6053.73,2992 7105.33,2992 7114.54,2982.79 7135.25,2982.79 7144.45,2992 7531.36,2992 7665,2858.36 7665,2836.44 7679.64,2821.79 7701.56,2821.79 7769.56,2753.79 7888.55,2753.79 7962.34,2680 v1(7964,2680)
  Bottom Layer w10: TP98B.1@5220,3208 5239.81,3208 5243.81,3204 v1(5274,3204) ; v1(7886.89,2753.79) 7922.39,2753.79 7930.19,2746 TP6D.1@7950,2746
DI_S1_5: R180J.1 TP6E.1 TP91C.1 U3E.10 U54C.28 | length 1642.6
  Top Layer w10: U54C.28@4851.41,3636.47 4853.93,3633.95 4892.31,3633.95 4903.59,3622.68 4915.32,3622.68 v1(4918,3620) ; v1(6006.89,3405.79) 6006.89,3409.58 6013.98,3416.67 U3E.10@6013.98,3457.02 ; v1(6140,3282) 6170.29,3312.29 R180J.1@6238.16,3312.29
  Int3 (Sign) w10: v1@4920,3620 5106,3434 5893.45,3434 5921.66,3405.79 v1(6006.89,3405.79)
  Bottom Layer w10: TP91C.1@4882,3600 4902,3620 v1(4918,3620) ; v1(6006.89,3405.79) 6067.84,3344.84 6077.16,3344.84 v1(6140,3282)
DI_S1_6: R180L.1 TP6F.1 TP85B.1 U3F.10 U54B.22 | length 3622.4
  Top Layer w10: U54B.22@4858.76,3216.01 4929.99,3216.01 v1(4932,3214) ; v1(7886.89,3397.79) 7886.89,3401.58 7893.98,3408.67 U3F.10@7893.98,3449.02 ; v1(7976,3266) 8002.8,3266 8025.03,3288.23 R180L.1@8050,3288.23
  Int3 (Sign) w10: v1(4932,3214) 4972.64,3214 5103.64,3345 5377,3345 5466,3256 6016.64,3256 6039.64,3233 6695.36,3233 6718.36,3256 7639.36,3256 7781.15,3397.79 v1(7886.89,3397.79) 7886.89,3355.11 v1(7976,3266)
  Bottom Layer w10: v1(4932,3214) TP85B.1@4964,3246 ; v1(7886.89,3397.79) 7926.39,3397.79 7936.19,3388 TP6F.1@7956,3388